# KiCad board HALTEST.kicad_pcb (continued)
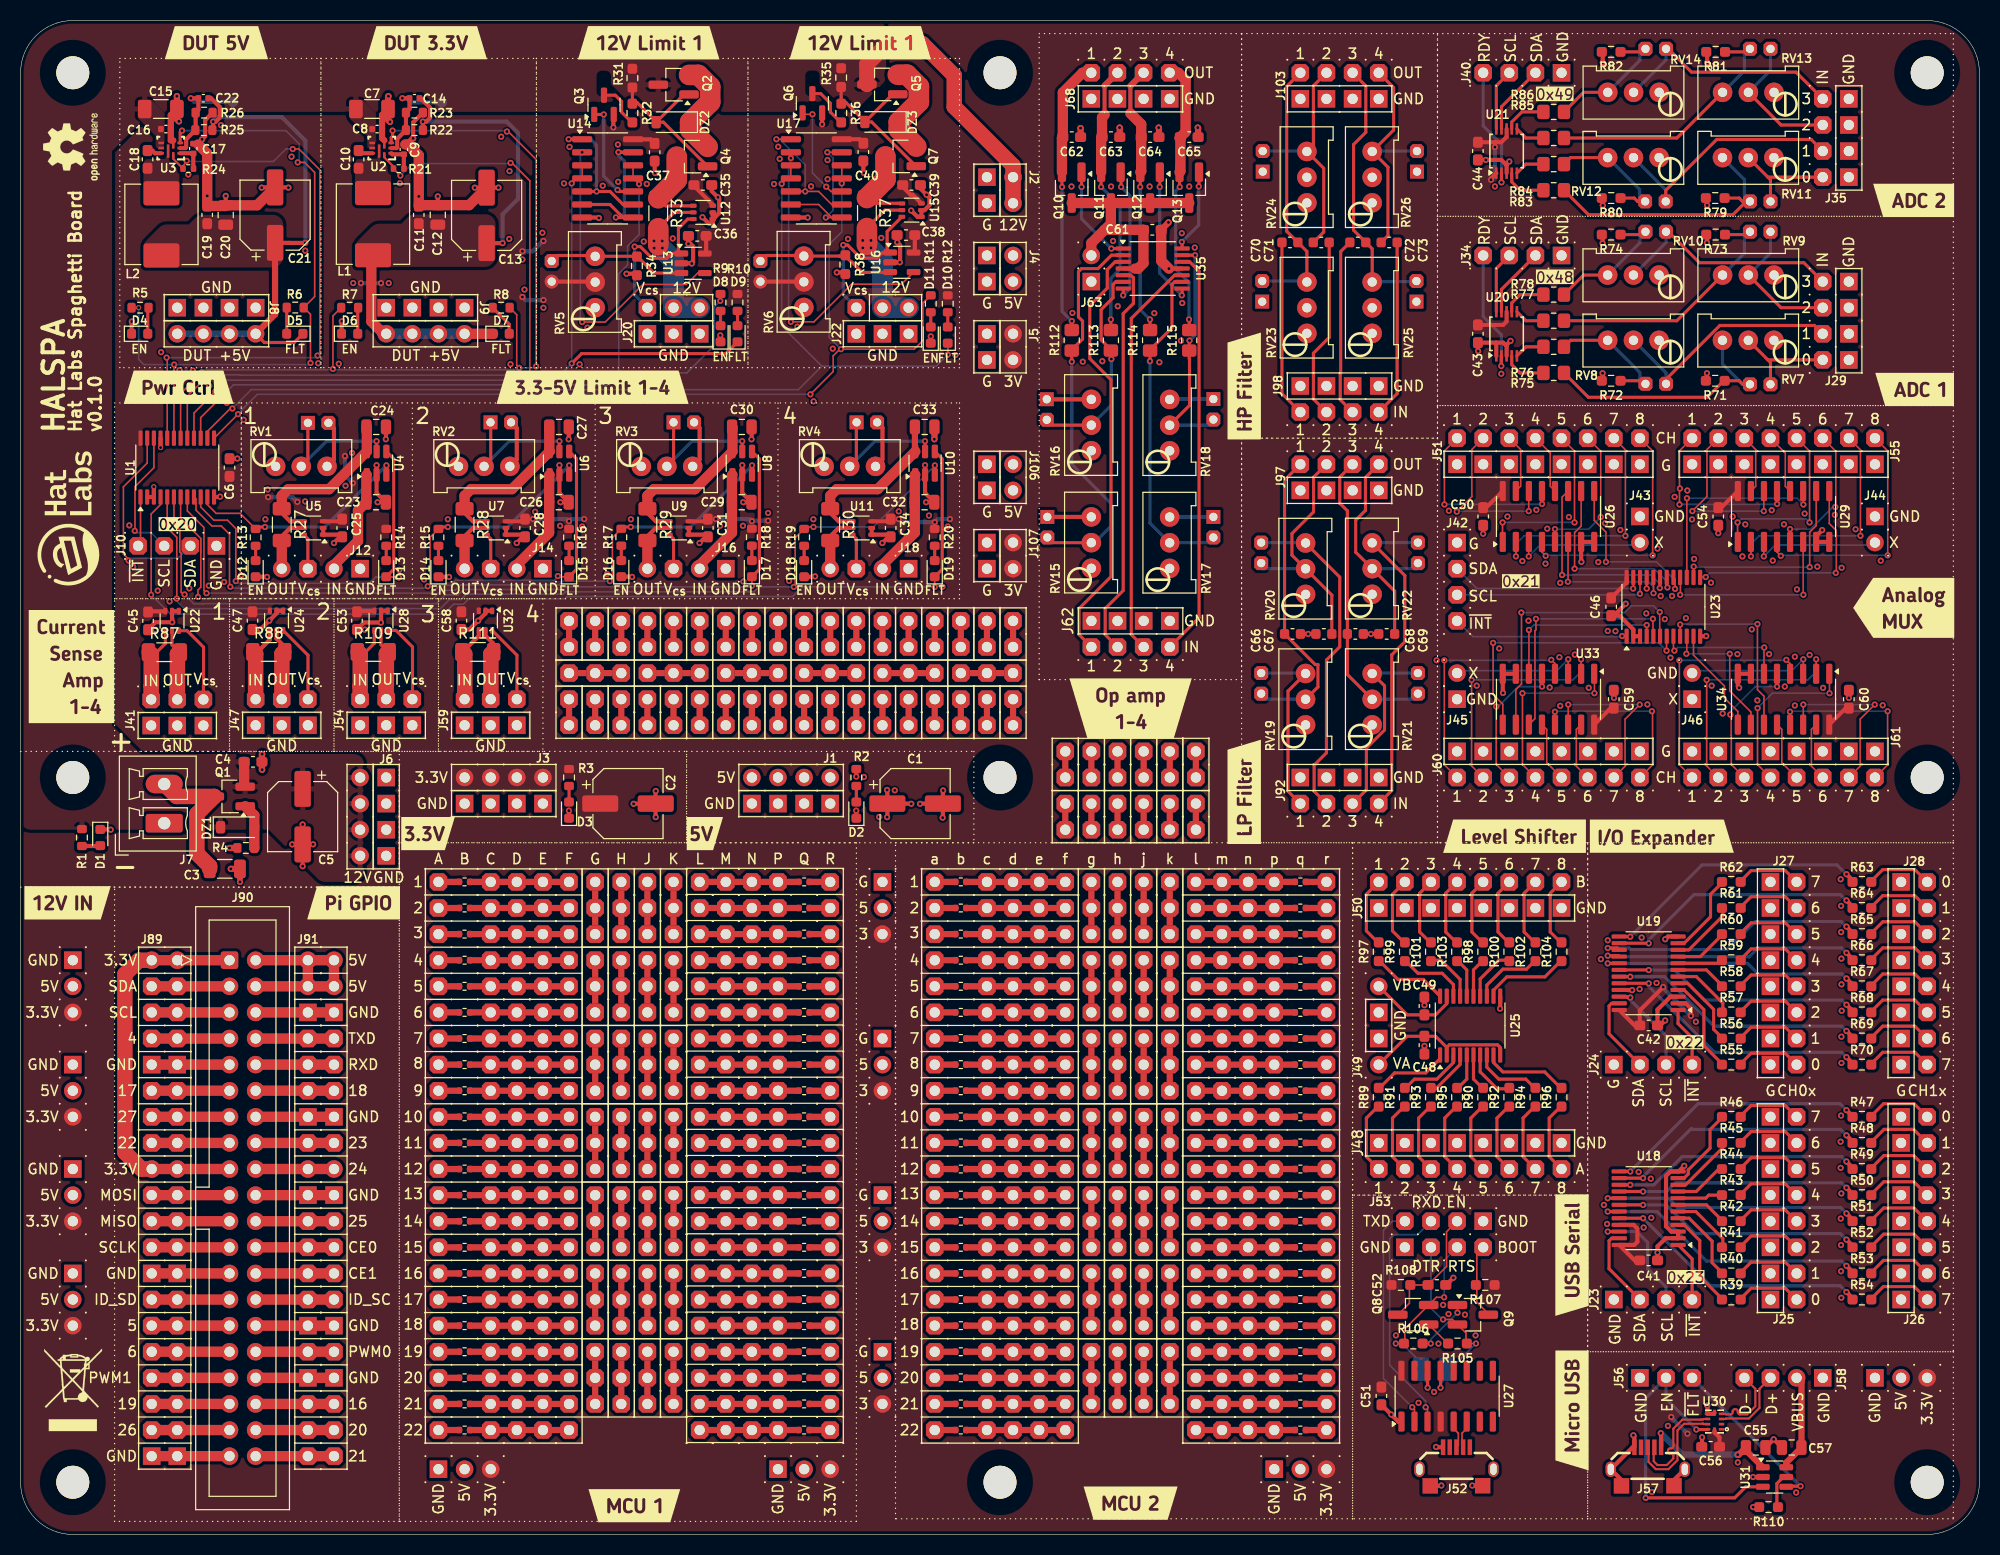
[diagram p0: board, top side]
## Routing (per net, layer and track width the routed paths; a pad name or vN(x,y) marks a point on that pad's centre or on a via; arc(x,y) is an arc through that point) (continued)
  Bottom w0.3: v1(70.18,106.39) 65.3,106.39 62.86,103.94
/DUT Power/Curlim 3/V_{Iin}: length 3.7
  Top w0.3: U9.6 63.5,96.88 63.5,93.78
/DUT Power/Curlim 3/Vout: length 5.7
  Top w0.4: 60.64,96.8 61.78,97.94 U9.5
  Top w1: 60.96,96.8 J16.4
/DUT Power/Curlim 4/CLSOUT: length 16.7
  Top w0.4: U11.4 79.56,98.59 78.42,99.73 ; 86.97,105.42 U10.6
  Top w0.6: C33.1 86.97,105.42
  Top w1: U10.6 83.34,101.72 79.38,101.72 78.74,101.08 78.74,99.73
/DUT Power/Curlim 4/ILIM: length 13.9
  Top w0.3: J17.1 81.28,108.2 81.28,104.58 80.64,103.94 ; U10.5 87.96,106.39 v1(87.96,106.39)
  Bottom w0.3: v1(87.96,106.39) 83.08,106.39 80.64,103.94
/DUT Power/Curlim 4/V_{Iin}: length 3.7
  Top w0.3: U11.6 81.28,96.88 81.28,93.78
/DUT Power/Curlim 4/Vout: length 5.7
  Top w0.4: 78.42,96.8 79.56,97.94 U11.5
  Top w1: 78.74,96.8 J18.4
/DUT Power/Curlim 12V 1/CV-: length 13.6
  Top w0.3: U13.3 61.6,122.75 60.08,124.27 59.94,124.27 59.83,124.38 RV5.3 55.8,124.46 52.19,124.46 J19.2
/DUT Power/Curlim 12V 1/ENF: length 10.4
  Top w0.3: v1(56.72,138.18) 55.77,138.18 ; v1(58.05,130.84) 58.2,130.69 U14.10
  Bottom w0.3: v1(58.05,130.84) 56.72,132.18 v1(56.72,138.18)
/DUT Power/Curlim 12V 1/FAULT: length 30.6
  Top w0.15: v1(54.61,117.98) 56.86,117.98 60.52,121.64 64.74,121.64 65.85,122.75 U13.4
  Bottom w0.15: v1(54.61,117.98) 54.44,118.16 54.44,134.33 v1(54.61,134.5)
/DUT Power/Curlim 12V 1/G2: length 15.9
  Top w0.3: DZ2.2 61.81,137.48 59.97,139.33 59.86,139.33 59.52,138.98 ; DZ2.2 64.52,140.13 Q2.1 ; DZ2.2 62.52,137.43 Q4.1 ; R31.2 R32.1
/DUT Power/Curlim 12V 1/LF: length 14.3
  Top w0.3: 54.61,130.69 57.32,130.69 58.59,129.42 U14.9 ; v1(53.3,135.77) 54.61,135.77
  Bottom w0.3: v1(56.02,130.69) 56.02,135.21 55.45,135.77 v1(53.3,135.77)
/DUT Power/Curlim 12V 1/PDD: length 4.5
  Top w0.3: 59.52,137.33 58.45,138.4 58.45,139.45 57.84,140.06 Q3.3
/DUT Power/Curlim 12V 1/S2: length 9.9
  Top w2: Q4.2 65.11,136.73 DZ2.1 67.07,139.38 67.07,140.87 65.91,142.03 Q2.2
/DUT Power/Curlim 12V 1/V_{Iin}: length 16.9
  Top w0.3: 63.44,124.65 63.98,124.65 63.98,124.94 ; 63.44,124.65 63.31,124.65 62.84,124.18 61.41,124.18 60.27,125.32 v1(59.72,125.32) ; 63.44,124.65 U13.1 63.98,124.94 ; U12.6 64.88,128 63.98,127.1 63.98,124.94
  Bottom w0.3: J20.2 59.72,120.63 59.72,125.32 v1(59.72,125.32)
/DUT Power/Curlim 12V 1/Vout: length 14.9
  Top w0.3: U12.5 63.56,128.65 62.02,127.11
  Top w2: 62.02,127.11 62.02,125.48
  Bottom w2: J20.6 J20.4 63.5,124 62.02,125.48
  vias: v1(61.6,125.87) v1(61.61,125.18) v1(62.4,125.87) v1(62.41,125.18)
/DUT Power/Curlim 12V 1/~{EN}: length 15.8
  Top w0.3: U14.6 57.32,129.42 58.59,128.15 U14.8 57.9,128.15 v1(57.89,128.16) ; U14.13 58.48,134.5 58.47,134.51 v1(58.14,134.51)
  Bottom w0.3: v1(57.89,128.16) 58.33,128.16 58.72,128.54 58.72,133.64 58.14,134.22 v1(58.14,134.51)
/DUT Power/Curlim 12V 2/CV-: length 13.6
  Top w0.3: J21.2 72.49,124.46 76.11,124.46 RV6.3 79.63,124.4 79.64,124.4 80.21,124.4 80.78,123.83 80.83,123.83 81.85,122.81 84.54,122.81 U16.3 84.56,122.83
/DUT Power/Curlim 12V 2/ENF: length 10.3
  Top w0.15: U17.10 78.81,130.69 v1(78.35,131.15) ; v1(77.01,138.2) 76.06,138.2
  Bottom w0.15: v1(77.01,138.2) 77.01,132.49 v1(78.35,131.15)
/DUT Power/Curlim 12V 2/FAULT: length 31.1
  Top w0.15: U16.4 85.66,121.66 80.81,121.66 77.15,118 v1(74.91,118)
  Top w0.3: 74.1,134.5 U17.2 74.91,133.93 v1(74.91,133.93)
  Bottom w0.15: 74.91,133.64 74.69,133.42 74.69,118.22 v1(74.91,118)
/DUT Power/Curlim 12V 2/G2: length 16
  Top w0.3: Q5.1 84.81,140.15 DZ3.2 ; R36.1 79.8,139.24 R35.2 ; DZ3.2 82.11,137.5 80.26,139.35 80.16,139.35 79.81,139 ; DZ3.2 82.77,137.45 87.07,133.15 Q7.1
/DUT Power/Curlim 12V 2/LF: length 14.7
  Top w0.15: v1(73.5,135.77) 74.91,135.77 ; v1(76.31,130.69) 74.91,130.69 77.62,130.69 78.89,129.42 U17.9
  Bottom w0.15: v1(76.31,130.69) 76.31,133.27 73.81,135.77 v1(73.5,135.77)
/DUT Power/Curlim 12V 2/PDD: length 4.5
  Top w0.3: 79.81,137.35 78.75,138.41 78.75,139.27 77.81,140.21 Q6.3
/DUT Power/Curlim 12V 2/S2: length 9.9
  Top w2: Q7.2 85.41,136.75 DZ3.1 87.36,139.4 87.36,140.89 86.2,142.05 Q5.2
/DUT Power/Curlim 12V 2/V_{Iin}: length 16.1
  Top w0.3: U15.6 84.27,126.78 84.27,125.04 U16.1 83.83,124.74 83.29,124.2 81.71,124.2 80.43,125.48 v1(80.01,125.48)
  Bottom w0.3: v1(80.01,125.48) 80.01,125.47 80.01,120.65 80.01,120.65 J22.2
/DUT Power/Curlim 12V 2/Vout: length 15
  Top w0.3: U15.5 84.05,128.87 82.31,127.13
  Top w2: 82.31,127.13 82.31,125.5
  Bottom w2: 82.31,125.5 83.82,123.99 J22.4 J22.6
  vias: v1(81.9,125.92) v1(81.91,125.2) v1(82.7,125.92) v1(82.71,125.2)
/DUT Power/Curlim 12V 2/~{EN}: length 15.3
  Top w0.15: v1(78.46,134.5) U17.13 ; U17.6 77.62,129.42 78.89,128.15 U17.8 v1(78.31,128.15)
  Bottom w0.15: v1(78.31,128.15) 79.01,128.85 79.01,133.95 v1(78.46,134.5)
/DUT Power/EN_3V3D: length 89.3
  Top w0.15: 15.56,106.68 15.56,111.03 v1(17.63,113.09) ; v1(50.14,113.67) 50.14,133.81 47.43,136.52 v1(47.29,136.52) ; 31.18,119.38 30.38,118.58 v1(30.38,113.42) ; 47.56,119.38 48.25,118.69 48.25,113.77 v1(48.5,113.52)
  Top w0.3: v1(36.17,136.61) 36.17,136.06 36.05,135.93 U2.3
  Bottom w0.15: v1(47.29,136.52) 47.29,136.6 47.29,136.61 v1(36.17,136.61) ; v1(50.14,113.67) 50.14,113.49 50.11,113.52 v1(48.5,113.52) 48.31,113.33 30.46,113.33 v1(30.38,113.42) 30.29,113.33 17.87,113.33 v1(17.63,113.09)
/DUT Power/EN_5VD: length 66.3
  Top w0.15: v1(14.94,113.84) 14.91,113.82 U1.19 ; v1(28.19,114) 28.19,118.73 R6.1 28.6,120.46 28.6,132.54 27.62,133.52 v1(26.95,133.52) ; R5.1 v2(11.48,119.38)
  Top w0.3: v1(15.7,136.61) 15.52,136.43 U3.3
  Bottom w0.15: v1(26.95,133.52) 27.1,133.67 27.1,135.31 25.8,136.61 v1(15.7,136.61) ; v2(11.48,119.38) 11.48,114.35 11.99,113.84 v1(14.94,113.84) 28.07,113.84 28.19,113.97 v1(28.19,114)
/DUT Power/EN_12V_1: length 81.4
  Top w0.15: v1(60.15,131.42) 59.61,131.96 U14.11 U14.12 ; R9.1 68.05,120.69 v1(68.05,120.04) ; U1.15 17.52,108.69 v1(19.5,110.67)
  Bottom w0.15: 58.17,113.03 64.8,113.03 67.44,115.67 67.44,119.43 v1(68.05,120.04) ; 58.17,113.03 58.17,112.98 57.05,111.86 20.69,111.86 v1(19.5,110.67) ; 58.17,113.03 58.17,122.68 59.03,123.55 59.03,125.37 60.15,126.49 v1(60.15,131.42)
/DUT Power/EN_12V_2: length 97.4
  Top w0.15: R11.1 87.76,119.82 87.76,116.19 86.91,115.34 v1(79.78,115.34) 79.71,115.27 79.6,115.27 79.03,114.69 79.03,113.17 v1(76.81,110.95) ; v1(79.86,131.47) 79.86,131.47 U17.11 U17.12 ; U1.13 21.15,109.02 v1(21.15,109.02)
  Bottom w0.15: v1(76.81,110.95) 23.03,110.95 21.15,109.07 v1(21.15,109.02) ; v1(79.78,115.34) 78.64,116.48 78.64,125.53 79.86,126.75 v1(79.86,131.47)
/DUT Power/EN_LIM_1: length 22.5
  Top w0.15: U1.11 18.16,100.22 19.02,99.36 21.35,99.36 R13.1
  Top w0.3: v1(35.58,104.03) 35.58,103.11 U4.3 ; v1(23.77,98.04) 23.76,98.04 22.86,98.04
  Bottom w0.3: v1(23.77,98.04) 29.59,98.04 v1(35.58,104.03)
/DUT Power/EN_LIM_2: length 52.2
  Top w0.15: v1(20.4,92.22) 20.32,92.3 20.32,97.33 19.51,98.15 18.59,98.15 17.06,99.67 17.06,100.76 U1.9 ; v1(39.6,92.27) 39.83,92.5 39.83,97.04 R15.1
  Top w0.3: v1(41.55,98.04) 41.54,98.04 40.64,98.04 ; v1(53.36,104.03) 53.36,103.11 U6.3
  Bottom w0.15: v1(39.6,92.27) 39.43,92.1 20.52,92.1 v1(20.4,92.22)
  Bottom w0.3: v1(53.36,104.03) 47.37,98.04 v1(41.55,98.04)
/DUT Power/EN_LIM_3: length 73.2
  Top w0.15: v1(57.3,92.76) 57.56,93.01 57.56,97 R17.1 ; 15.56,100.96 15.56,98.89 17.54,96.92 17.54,95.62 17.53,95.61 17.53,92.18 17.25,91.9 v1(17.25,91.22)
  Top w0.3: v1(59.33,98.04) 59.32,98.04 58.42,98.04 ; v1(71.14,104.03) 71.14,103.11 U8.3
  Bottom w0.15: v1(57.3,92.76) 52.74,92.76 52.39,92.4 42.77,92.4 42.25,91.88 40.93,91.88 40.13,91.08 18.32,91.08 18.3,91.07 17.4,91.07 v1(17.25,91.22)
  Bottom w0.3: v1(59.33,98.04) 65.15,98.04 v1(71.14,104.03)
/DUT Power/EN_LIM_4: length 93.9
  Top w0.15: v1(15.19,91.07) 15.19,97.03 14.27,97.95 U1.5 ; v1(88.92,104.03) 88.92,103.11 U10.3 ; v1(75.2,92.2) 75.34,92.34 75.34,96.99 R19.1 ; v1(77.11,98.04) 77.1,98.04 76.2,98.04
  Bottom w0.15: v1(75.2,92.2) 71.79,92.2 71.32,91.73 52.98,91.73 52.76,91.5 43.34,91.5 42.82,90.98 41.7,90.98 40.82,90.1 15.91,90.1 15.19,90.82 v1(15.19,91.07) ; v1(77.11,98.04) 82.93,98.04 v1(88.92,104.03)
/DUT Power/G2: length 4.4
  Top w1: 22.73,66.8 22.73,69.98 Q1.1
/DUT Power/PG_3V3: length 73.5
  Top w0.15: v1(47.65,133.47) 47.72,133.4 47.85,133.4 49.53,131.72 49.53,113 v1(49.45,112.92) ; v1(36.93,132.23) 36.27,132.9 R21.1 ; v1(17.81,112.36) 16.21,110.76 U1.17
  Top w0.2: R21.1 36.27,133.11 35.38,134 U2.9
  Bottom w0.15: v1(47.65,133.47) 47.58,133.4 38.1,133.4 v1(36.93,132.23) ; v1(17.81,112.36) 18.29,112.83 21.31,112.83 21.31,112.83 49.36,112.83 v1(49.45,112.92)
/DUT Power/PG_5V: length 57.8
  Top w0.15: v1(14.2,114.52) 14.2,114.41 14.27,114.34 U1.20 ; v1(16.15,133.67) 16.15,133.55 15.8,133.2 R24.1 ; v1(28.88,114.72) 29.11,114.94 29.11,132.79 27.08,134.82 v1(26.47,134.82)
  Top w0.2: U3.9 14.85,133.86 R24.1
  Bottom w0.15: v1(16.15,133.67) 16.22,133.6 24.58,133.6 25.8,134.82 v1(26.47,134.82) ; v1(14.2,114.52) 28.69,114.52 v1(28.88,114.72)
/DUT Power/SCL: length 13.3
  Top w0.15: v1(11.1,97.67) 11.13,97.69 11.13,101.97 12.96,103.81 12.96,106.68
  Bottom w0.15: J10.3 12.68,97.49 11.28,97.49 v1(11.1,97.67)
/DUT Power/SDA: length 19.7
  Top w0.15: v1(10.5,94.77) 10.5,94.91 10,95.41 10,101.95 12.31,104.26 U1.23
  Bottom w0.15: v1(10.5,94.77) 10.73,95 15.31,95 J10.2
/DUT Power/~{FAULT_12V_1}: length 78.2
  Top w0.15: v1(18.95,111.22) 16.87,109.14 U1.16 ; v1(53.59,131.47) 54.08,131.96 54.61,131.96 54.61,133.23
  Top w0.3: v1(53.59,113.94) 54.56,114.91 68.58,114.91 D9.1
  Bottom w0.15: v1(53.59,131.47) v1(53.59,113.94) 51.97,112.32 20.05,112.32 v1(18.95,111.22)
/DUT Power/~{FAULT_12V_2}: length 98.6
  Top w0.15: U1.14 18.16,107.34 20.4,109.57 v1(20.6,109.57) ; 74.91,133.23 74.91,131.96 74.54,131.96 v1(74.02,131.44) ; v1(90.17,114.81) D11.1
  Bottom w0.15: 77.93,113.69 74.02,117.6 v1(74.02,131.44) ; 77.93,113.69 89.05,113.69 v1(90.17,114.81) ; 77.93,113.69 75.64,111.4 22.43,111.4 v1(20.6,109.57)
/DUT Power/~{FAULT_LIM_1}: length 40.8
  Top w0.15: v1(36.8,93.12) 36.75,93.17 35.59,93.17 D13.1 ; v1(20.93,92.77) 20.93,97.89 20.12,98.7 18.8,98.7 17.52,99.99 U1.10
  Top w0.3: U4.4 36.29,104.67 36.29,93.92 D13.1
  Bottom w0.15: v1(36.8,93.12) 36.75,93.17 34.54,93.17 33.93,92.56 20.98,92.56 20.93,92.61 v1(20.93,92.77)
/DUT Power/~{FAULT_LIM_2}: length 59
  Top w0.15: v1(18.08,91.59) 17.83,91.85 17.83,97.99 16.21,99.61 U1.8 ; D15.1 52.5,93.19 52.42,93.27 v1(52.25,93.27)
  Top w0.3: U6.4 54.07,104.67 54.07,93.92 D15.1
  Bottom w0.15: v1(18.08,91.59) 39.99,91.59 40.75,92.35 41.81,92.35 42.31,92.85 51.93,92.85 52.09,93.01 52.09,93.11 v1(52.25,93.27)
/DUT Power/~{FAULT_LIM_3}: length 79.9
  Top w0.15: U1.6 14.91,98.32 15.48,97.75 15.48,95.62 15.61,95.49 15.61,91.71 15.85,91.47 v1(15.95,91.47) ; D17.1 v1(71.12,92.32)
  Top w0.3: U8.4 71.85,104.67 71.85,93.92 71.12,93.19
  Bottom w0.15: v1(15.95,91.47) 16.86,90.56 17.74,90.56 17.76,90.58 40.44,90.58 41.29,91.43 42.56,91.43 43.08,91.95 52.57,91.95 52.82,92.2 71,92.2 v1(71.12,92.32)
/DUT Power/~{FAULT_LIM_4}: length 101.8
  Top w0.15: v1(12.7,91.44) 12.7,99.31 13.61,100.22 U1.4 ; D19.1 v1(88.9,92.2)
  Top w0.3: D19.1 89.63,93.92 89.63,104.67 U10.4
  Bottom w0.15: v1(12.7,91.44) 14.58,89.56 14.97,89.56 14.99,89.54 15.39,89.54 15.4,89.56 41.15,89.56 42.11,90.53 43.08,90.53 43.6,91.05 52.95,91.05 53.17,91.28 75.08,91.28 76.01,92.2 v1(88.9,92.2)
/DUT Power/~{INT}: length 4.9
  Top w0.15: J10.4 11.66,96.44 11.66,100.96
/Filters/HPIN1: length 17.3
  Top w0.3: J98.2 122.67,111.01 C70.1
/Filters/HPIN2: length 17.7
  Top w0.3: C71.1 127.27,116.49 125.73,114.95 125.73,110.49 J98.4
/Filters/HPIN3: length 17.4
  Top w0.3: C72.1 128.38,124.84 128.38,112.96 128.34,112.92 128.34,110.42 J98.6
/Filters/HPIN4: length 17.3
  Top w0.3: J98.8 133.87,111.01 C73.1
/Filters/HPOUT1: length 26.1
  Top w0.3: J103.2 123.13,140.91 123.13,126.82 C70.2 125.09,124.85 RV23.3
  Bottom w0.3: J99.2 125,121.97 RV23.3
/Filters/HPOUT2: length 22.7
  Top w0.3: C71.2 126.73,126.74 126.73,132.95 RV24.3 125.73,135.22 125.73,140.97 J103.4
  Bottom w0.3: RV24.3 125.06,134.62 J100.2
/Filters/HPOUT3: length 26.5
  Top w0.3: J103.6 130.82,140.96 130.82,136.44 129.63,135.25 129.63,126.92 C72.2 131.44,125.11 RV25.3
  Bottom w0.3: J101.2 135.7,121.92 131.48,121.92 RV25.3
/Filters/HPOUT4: length 23.3
  Top w0.3: C73.2 132.98,126.39 132.98,133.05 RV26.3 133.53,136.67 133.53,140.79 J103.8
  Bottom w0.3: RV26.3 131.48,134.62 J102.2
/Filters/LPIN1: length 18.2
  Top w0.3: RV19.3 123.26,82.07 123.26,72.32 J92.2
  Bottom w0.3: J93.1 124.93,83.82 RV19.3
/Filters/LPIN2: length 32.6
  Top w0.3: RV20.3 128.29,93.16 128.29,86.38 127,85.09 127,76.06 125.8,74.86 125.8,72.32 J92.4
  Bottom w0.3: RV20.3 124.93,96.52 J94.1
/Filters/LPIN3: length 18.9
  Top w0.3: J92.6 130.88,72.46 130.88,76.52 132.65,78.28 132.65,82.58 RV21.3
  Bottom w0.3: J95.1 131.48,83.82 RV21.3
/Filters/LPIN4: length 32.2
  Top w0.3: J92.8 133.35,72.39 133.35,85.6 134.62,86.87 134.62,93.32 RV22.3
  Bottom w0.3: RV22.3 131.47,96.52 J96.1
/Filters/LPOUT1: length 29.8
  Top w0.3: J97.2 122.92,102.6 C66.1 125.9,84.65 126.17,84.65 126.17,82.47 RV19.2
  Bottom w0.3: 120.65,81.28 124.96,81.28 RV19.2
/Filters/LPOUT2: length 23.8
  Top w0.3: 127.52,87.63 127.52,91.42 RV20.2 123.64,95.3 123.64,97.4 125.74,99.5 125.74,102.88 J97.4
  Bottom w0.3: 120.65,93.98 124.96,93.98 RV20.2
/Filters/LPOUT3: length 29.1
  Top w0.3: RV21.2 129.03,83.68 C68.1 129.03,99.61 128.29,100.35 128.29,102.89 J97.6
  Bottom w0.3: 135.89,81.28 131.46,81.28 RV21.2
/Filters/LPOUT4: length 23.5
  Top w0.3: C69.1 133.63,91.8 RV22.2 129.84,95.59 129.84,98.7 130.79,99.65 130.79,102.85 J97.8
  Bottom w0.3: 135.89,93.98 RV22.2
/Level Shifting/A1: length 7.5
  Top w0.3: U25.1 138.04,46.31 136.65,44.91 133.62,44.91 132.08,43.37
/Level Shifting/A2: length 6.5
  Top w0.3: U25.3 139.34,45.92 137.73,44.31 135.56,44.31 134.62,43.37
/Level Shifting/A3: length 4.7
  Top w0.3: 137.16,43.37 137.63,43.37 140,45.73 U25.4
/Level Shifting/A4: length 3.7
  Top w0.3: 139.7,43.37 140.65,44.32 U25.5
/Level Shifting/A5: length 3.7
  Top w0.3: U25.6 141.29,44.32 142.24,43.37
/Level Shifting/A6: length 5.2
  Top w0.3: 144.78,43.37 143.59,43.37 141.94,45.02 U25.7
/Level Shifting/A7: length 6.8
  Top w0.3: U25.8 142.59,45.47 143.75,44.31 146.38,44.31 147.32,43.37
/Level Shifting/A8: length 8.4
  Top w0.3: U25.9 143.25,45.92 144.16,45.01 148.22,45.01 149.86,43.37
/Level Shifting/Ac1: length 7.2
  Top w0.3: J48.2 130.88,36.76 130.88,40.52 132.08,41.72
/Level Shifting/Ac2: length 7.2
  Top w0.3: 134.62,41.72 133.42,40.52 133.42,36.76 J48.4
/Level Shifting/Ac3: length 7.2
  Top w0.3: J48.6 135.96,36.76 135.96,40.52 137.16,41.72
/Level Shifting/Ac4: length 7.2
  Top w0.3: J48.8 138.5,36.76 138.5,40.52 139.7,41.72
/Level Shifting/Ac5: length 7.2
  Top w0.3: J48.10 141.04,36.76 141.04,40.52 142.24,41.72
/Level Shifting/Ac6: length 7.2
  Top w0.3: J48.12 143.58,36.76 143.58,40.52 144.78,41.72
/Level Shifting/Ac7: length 7.2
  Top w0.3: J48.14 146.12,36.76 146.12,40.52 147.32,41.72
/Level Shifting/Ac8: length 7.2
  Top w0.3: J48.16 148.66,36.76 148.66,40.52 149.86,41.72
/Level Shifting/B1: length 7.4
  Top w0.3: U25.20 136.42,54.01 133.95,54.01 132.08,55.88
/Level Shifting/B2: length 6.8
  Top w0.3: 134.62,55.88 135.89,54.61 138.25,54.61 139.34,53.52 U25.18
/Level Shifting/B3: length 5.2
  Top w0.3: U25.17 140,54.02 138.13,55.88 137.16,55.88
/Level Shifting/B4: length 3.9
  Top w0.3: 139.7,55.88 140.65,54.94 U25.16
/Level Shifting/B5: length 3.9
  Top w0.3: U25.15 141.29,54.94 142.24,55.88
/Level Shifting/B6: length 5.3
  Top w0.3: 144.78,55.88 143.77,55.88 141.94,54.06 U25.14
/Level Shifting/B7: length 6.8
  Top w0.3: 147.32,55.88 146.45,55.01 144.15,55.01 142.59,53.46 U25.13
/Level Shifting/B8: length 8.4
  Top w0.3: 149.86,55.88 148.24,54.26 144.54,54.26 143.25,52.97 U25.12
/Level Shifting/Bc1: length 7
  Top w0.3: 132.08,57.53 130.88,58.73 130.88,62.3 J50.2
/Level Shifting/Bc2: length 7
  Top w0.3: 134.62,57.53 133.42,58.73 133.42,62.3 J50.4
/Level Shifting/Bc3: length 6.9
  Top w0.3: J50.6 136.06,62.4 136.06,58.63 137.16,57.53
/Level Shifting/Bc4: length 6.9
  Top w0.3: 139.7,57.53 138.6,58.63 138.6,62.4 J50.8
/Level Shifting/Bc5: length 6.9
  Top w0.3: 142.24,57.53 141.14,58.63 141.14,62.4 J50.10
/Level Shifting/Bc6: length 6.9
  Top w0.3: 144.78,57.53 143.68,58.63 143.68,62.4 J50.12
/Level Shifting/Bc7: length 6.9
  Top w0.3: J50.14 146.22,62.4 146.22,58.63 147.32,57.53
/Level Shifting/Bc8: length 6.9
  Top w0.3: J50.16 148.76,62.4 148.76,58.63 149.86,57.53
/Opamp/I1-: length 39
  Top w0.3: RV15.2 100.36,96.51 J64.2 ; U35.2 106.09,124.49 104.78,123.18 103.18,123.18 102.88,122.88 102.88,118.48 103.28,118.08 103.28,116.33 102.24,115.29 102.22,115.29 102.22,114.39 102.23,114.38 v1(102.23,114.12)
  Bottom w0.3: v1(102.23,114.12) 102.23,104.15 106.05,100.33 106.05,98.13 104.43,96.51 RV15.2
/Opamp/I2-: length 21
  Top w0.3: J65.2 100.32,107.95 RV16.2 ; v1(106.08,114.38) 106.03,114.43 106.03,115.29 105.08,116.24 105.08,119.18 106.25,120.35 106.25,121.64 106.5,121.89 U35.6
  Bottom w0.3: RV16.2 106.08,109.9 v1(106.08,114.38)
/Opamp/I3-: length 32.4
  Top w0.3: v1(109.83,114.17) 109.83,114.38 109.84,114.4 109.84,115.29 111.97,117.42 111.97,121.64 112.22,121.89 U35.9
  Bottom w0.3: J66.2 115.5,96.52 111.77,96.52 RV17.2 109.83,98.42 v1(109.83,114.17)
/Opamp/I4-: length 23.4
  Top w0.3: U35.13 114.22,124.49 v1(114.23,124.48) ; v1(113.68,116.18) 113.66,116.16 113.66,114.41 113.68,114.38 113.68,109.87 RV18.2
  Bottom w0.3: J67.2 116,108.38 115.56,107.94 RV18.2 ; v1(113.68,116.18) 114.23,116.73 v1(114.23,124.48)
/Opamp/IN1: length 41.9
  Top w0.3: J62.2 102.94,87.56 102.94,90.1 106.05,93.21 106.05,112.37 103.98,114.43 103.98,119.58 105.68,121.28 105.68,123.08 106.44,123.84 U35.3
/Opamp/IN2: length 38.7
  Top w0.3: J62.4 105.48,87.56 105.48,90.1 107.23,91.85 107.23,118.8 108.22,119.8 108.22,122.29 107.97,122.54 U35.5
/Opamp/IN3: length 39.2
  Top w0.3: J62.6 108.02,87.56 108.02,118.33 112.22,122.54 U35.10
/Opamp/IN4: length 39.8
  Top w0.3: U35.12 113.7,123.84 114.61,122.93 114.61,89.21 J62.8
/Opamp/O1: length 9.8
  Top w0.3: Q10.1 103.18,132.56 v1(103.18,131.13) ; v1(106.08,125.13) 107.23,125.13 U35.1
  Bottom w0.3: v1(103.18,131.13) 103.18,128.03 v1(106.08,125.13)
/Opamp/O2: length 13.3
  Top w0.3: v1(107.23,120.58) 107.24,120.59 U35.7 ; Q11.1 107.03,132.52 v1(107.03,131.13)
  Bottom w0.3: v1(107.03,131.13) 107.88,130.28 107.88,121.23 v1(107.23,120.58)
/Opamp/O3: length 13.6
  Top w0.3: v1(112.93,120.58) 112.96,120.61 U35.8 ; v1(110.78,131.13) 110.79,131.15 Q12.1
  Bottom w0.3: v1(110.78,131.13) 110.78,122.73 v1(112.93,120.58)
/Opamp/O4: length 8.1
  Top w0.3: v1(114.58,131.18) 114.6,131.21 Q13.1 ; U35.14 112.96,125.75 v1(112.93,125.78)
  Bottom w0.3: v1(114.58,131.18) 114.58,127.43 v1(112.93,125.78)
/Opamp/OUT1: length 27.2
  Top w0.3: v1(101.28,131.13) 101.28,131.14 101.28,132.56 ; 102.22,117.12 102.23,117.12 v1(102.23,118.08)
  Top w1: 101.28,132.56 101.28,135.89 C62.2 101.36,140.32 103.28,142.24 J68.2
  Bottom w0.3: v1(102.23,118.08) 101.28,119.03 v1(101.28,131.13)
/Opamp/OUT2: length 26.9
  Top w0.3: v1(106.03,118.23) 106.03,118.23 106.03,117.12 ; v1(105.08,131.13) 105.08,131.14 Q11.2
  Top w0.4: 105.43,138.15 105.42,138.16 105.42,140.99
  Top w0.6: 105.42,140.99 J68.4
  Top w1: 105.43,138.15 105.17,137.89 C63.2 105.08,135.89 Q11.2
  Bottom w0.3: v1(105.08,131.13) 106.93,129.28 106.93,123.13 106.03,122.23 v1(106.03,118.23)
/Opamp/OUT3: length 26.5
  Top w0.3: Q12.2 108.89,131.15 v1(108.88,131.13) ; v1(109.83,118.23) 109.84,118.22 109.84,117.12
  Top w0.4: 107.93,138.28 107.93,140.96
  Top w0.6: 107.93,140.96 J68.6
  Top w1: Q12.2 108.98,132.65 C64.2 108.98,137.23 107.93,138.28
  Bottom w0.3: v1(109.83,118.23) 108.88,119.18 v1(108.88,131.13)
/Opamp/OUT4: length 27.4
  Top w0.3: Q13.2 112.71,131.16 v1(112.73,131.13) ; 113.66,117.12 113.66,118.21 v1(113.63,118.23)
  Top w1: C65.2 113.3,136.49 113.3,141.54 112.6,142.24 J68.8 ; C65.2 112.79,132.65 Q13.2 ; C65.2 112.71,135.89
  Bottom w0.3: v1(113.63,118.23) 113.63,121.83 112.33,123.13 112.33,130.73 v1(112.73,131.13)
/Raspberry Pi GPIO/GPIO0: length 7.6
  Top w1: J90.27 J89.27
/Raspberry Pi GPIO/GPIO1: length 7.6
  Top w1: J90.28 J91.28
/Raspberry Pi GPIO/GPIO2: length 7.6
  Top w1: J90.3 J89.3
/Raspberry Pi GPIO/GPIO3: length 7.6
  Top w1: J90.5 J89.5
/Raspberry Pi GPIO/GPIO4: length 7.6
  Top w1: J90.7 J89.7
/Raspberry Pi GPIO/GPIO5: length 7.6
  Top w1: J90.29 J89.29
/Raspberry Pi GPIO/GPIO6: length 7.6
  Top w1: J90.31 J89.31
/Raspberry Pi GPIO/GPIO7: length 7.6
  Top w1: J90.26 J91.26
/Raspberry Pi GPIO/GPIO8: length 7.6
  Top w1: J90.24 J91.24
/Raspberry Pi GPIO/GPIO9: length 7.6
  Top w1: J90.21 J89.21
/Raspberry Pi GPIO/GPIO10: length 7.6
  Top w1: J90.19 J89.19
/Raspberry Pi GPIO/GPIO11: length 7.6
  Top w1: J90.23 J89.23
/Raspberry Pi GPIO/GPIO12: length 7.6
  Top w1: J90.32 J91.32
/Raspberry Pi GPIO/GPIO13: length 7.6
  Top w1: J90.33 J89.33
/Raspberry Pi GPIO/GPIO14: length 7.6
  Top w1: J90.8 J91.8
/Raspberry Pi GPIO/GPIO15: length 7.6
  Top w1: J90.10 J91.10
/Raspberry Pi GPIO/GPIO16: length 7.6
  Top w1: J90.36 J91.36
/Raspberry Pi GPIO/GPIO17: length 7.6
  Top w1: J90.11 J89.11
/Raspberry Pi GPIO/GPIO18: length 7.6
  Top w1: J90.12 J91.12
/Raspberry Pi GPIO/GPIO19: length 7.6
  Top w1: J90.35 J89.35
/Raspberry Pi GPIO/GPIO20: length 7.6
  Top w1: J90.38 J91.38
/Raspberry Pi GPIO/GPIO21: length 7.6
  Top w1: J90.40 J91.40
/Raspberry Pi GPIO/GPIO22: length 7.6
  Top w1: J90.15 J89.15
/Raspberry Pi GPIO/GPIO23: length 7.6
  Top w1: J90.16 J91.16
/Raspberry Pi GPIO/GPIO24: length 7.6
  Top w1: J90.18 J91.18
/Raspberry Pi GPIO/GPIO25: length 7.6
  Top w1: J90.22 J91.22
/Raspberry Pi GPIO/GPIO26: length 7.6
  Top w1: J90.37 J89.37
/Raspberry Pi GPIO/GPIO27: length 7.6
  Top w1: J90.13 J89.13
/Raspberry Pi GPIO/RPI_3V3: length 38.9
  Top w1: J90.1 J89.1 ; J90.17 J89.17
  Top w1.5: J89.17 11.76,35.56 10.15,37.17 10.15,54.52 11.51,55.88 J89.1
/Raspberry Pi GPIO/RPI_5V: length 20.3
  Top w1: J90.2 J91.2 J91.4 J90.4 ; J91.4 J91.2
/USB connector/D+: length 11
  Top w0.2: U30.8 163.67,10.73 163.62,10.78 163.58,10.78 163.57,10.77 161.78,10.77 161.13,10.13 161.13,7.23 160.26,6.35 159.02,6.35 158.32,7.06 158.32,7.87 158.24,7.94 J57.3
/USB connector/D-: length 11
  Top w0.2: J57.2 158.89,7.94 158.82,7.87 158.82,7.12 159.19,6.75 160.09,6.75 160.73,7.4 160.73,7.67 arc(160.68,7.82) 160.53,7.87 160.41,7.87 arc(160.27,7.93) 160.21,8.07 160.21,8.17 arc(160.27,8.32) 160.41,8.37 160.53,8.37 arc(160.68,8.43) 160.73,8.57 160.73,10.29 161.61,11.17 163.42,11.17 163.43,11.18 163.62,11.18 163.67,11.23 U30.7
/USB connector/EN: length 31.7
  Top w0.3: v1(162.97,10.21) 164.03,10.21 U30.9 ; v1(158.04,3.56) 166.7,3.56 167.78,4.64 U31.3
  Bottom w0.3: v1(158.04,3.56) 158.04,13.26 J56.2 160.02,13.21 162.97,10.26 v1(162.97,10.21)
/USB connector/MHL+: length 7.5
  Top w0.2: J58.3 169.11,14.17 169.11,12.31 168.08,11.28 165.86,11.28 165.81,11.23 U30.3
/USB connector/MHL-: length 7.5
  Top w0.2: J58.4 168.71,14.17 168.71,12.48 167.92,11.68 167.2,11.68 arc(167.06,11.74) 167,11.88 167,11.99 arc(166.94,12.13) 166.8,12.19 166.7,12.19 arc(166.56,12.13) 166.5,11.99 166.5,11.88 arc(166.44,11.74) 166.3,11.68 165.86,11.68 165.81,11.73 U30.4
/USB connector/~{FAULT}: length 16.3
  Top w0.3: v1(173.1,4.7) 171.78,4.7 U31.4
  Bottom w0.3: J56.3 v1(173.1,4.7)
/USB serial interface/BOOT: length 7.3
  Top w0.15: J53.7 141.62,27.32 141.62,22.61 142.74,21.48 Q9.3
/USB serial interface/DTR: length 3.1
  Top w0.3: U27.13 138.1,14.29 v1(138.09,14.28)
  Bottom w0.3: JP1.1 138.09,14.78 v1(138.09,14.28)
/USB serial interface/DTRb: length 2.7
  Top w0.15: 138.91,18.58 138.79,18.58 Q8.1
/USB serial interface/DTRsj: length 16.2
  Top w0.15: v1(141.54,18.58) 140.56,18.58 140.56,19.61 Q9.2 139.25,20.92 138.34,20.92 v1(138.34,20.92)
  Bottom w0.15: J53.3 137.16,22.01 138.25,20.92 v1(138.34,20.92) ; v1(141.54,18.58) 139.69,16.73 JP1.2 138.74,17.08
/USB serial interface/EN: length 12.5
  Top w0.15: J53.6 138.67,29.45 138.67,26.08 C52.1 135.06,24.28 135.06,22.51 Q8.3
/USB serial interface/RTS: length 3.1
  Top w0.3: U27.14 136.83,14.29 v1(136.84,14.28)
  Bottom w0.3: JP2.2 136.84,14.78 v1(136.84,14.28)
/USB serial interface/RTSb: length 5.7
  Top w0.15: 136.26,18.58 v1(137.14,18.58) ; v1(139.74,21.58) Q9.1
  Bottom w0.15: v1(139.74,21.58) 137.14,18.98 v1(137.14,18.58)
/USB serial interface/RTSsj: length 16.3
  Top w0.15: v1(138.44,23.08) 137.69,23.08 Q8.2 134.62,20.01 134.62,18.58 v1(133.74,18.58)
  Bottom w0.15: J53.5 138.44,26.68 v1(138.44,23.08) ; 136.19,17.08 JP2.1 134.34,18.58 v1(133.74,18.58)
/USB serial interface/RXD: length 24.1
  Top w0.15: v1(136.64,12.38) 136.83,12.19 U27.3
  Bottom w0.15: v1(136.64,12.38) 136.64,12.98 133.14,16.48 133.14,28.78 133.54,29.18 135.86,29.18 J53.4
/USB serial interface/TXD: length 22.3
  Top w0.15: v1(135.34,12.38) 135.56,12.16 U27.2
  Bottom w0.15: J53.2 133.42,30.48 132.54,29.6 132.54,15.18 v1(135.34,12.38)
/USB serial interface/USB_D+: length 2.8
  Top w0.158: 139.63,8.49 139.83,8.69 139.83,9.85 139.37,10.31 U27.5
